# Altium PCB Audio-Beamformer_V1.0.PcbDoc (part 8 of 11)
Units mm, origin at the board's own origin, x right, y up, seen from the top; angles counter-clockwise.
Board outline 300 x 376 mm, 2 copper layers (Top Layer, Bottom Layer), stack 1.548 mm thick; 1137 components, 629 nets, 3569 pads, 2808 vias.
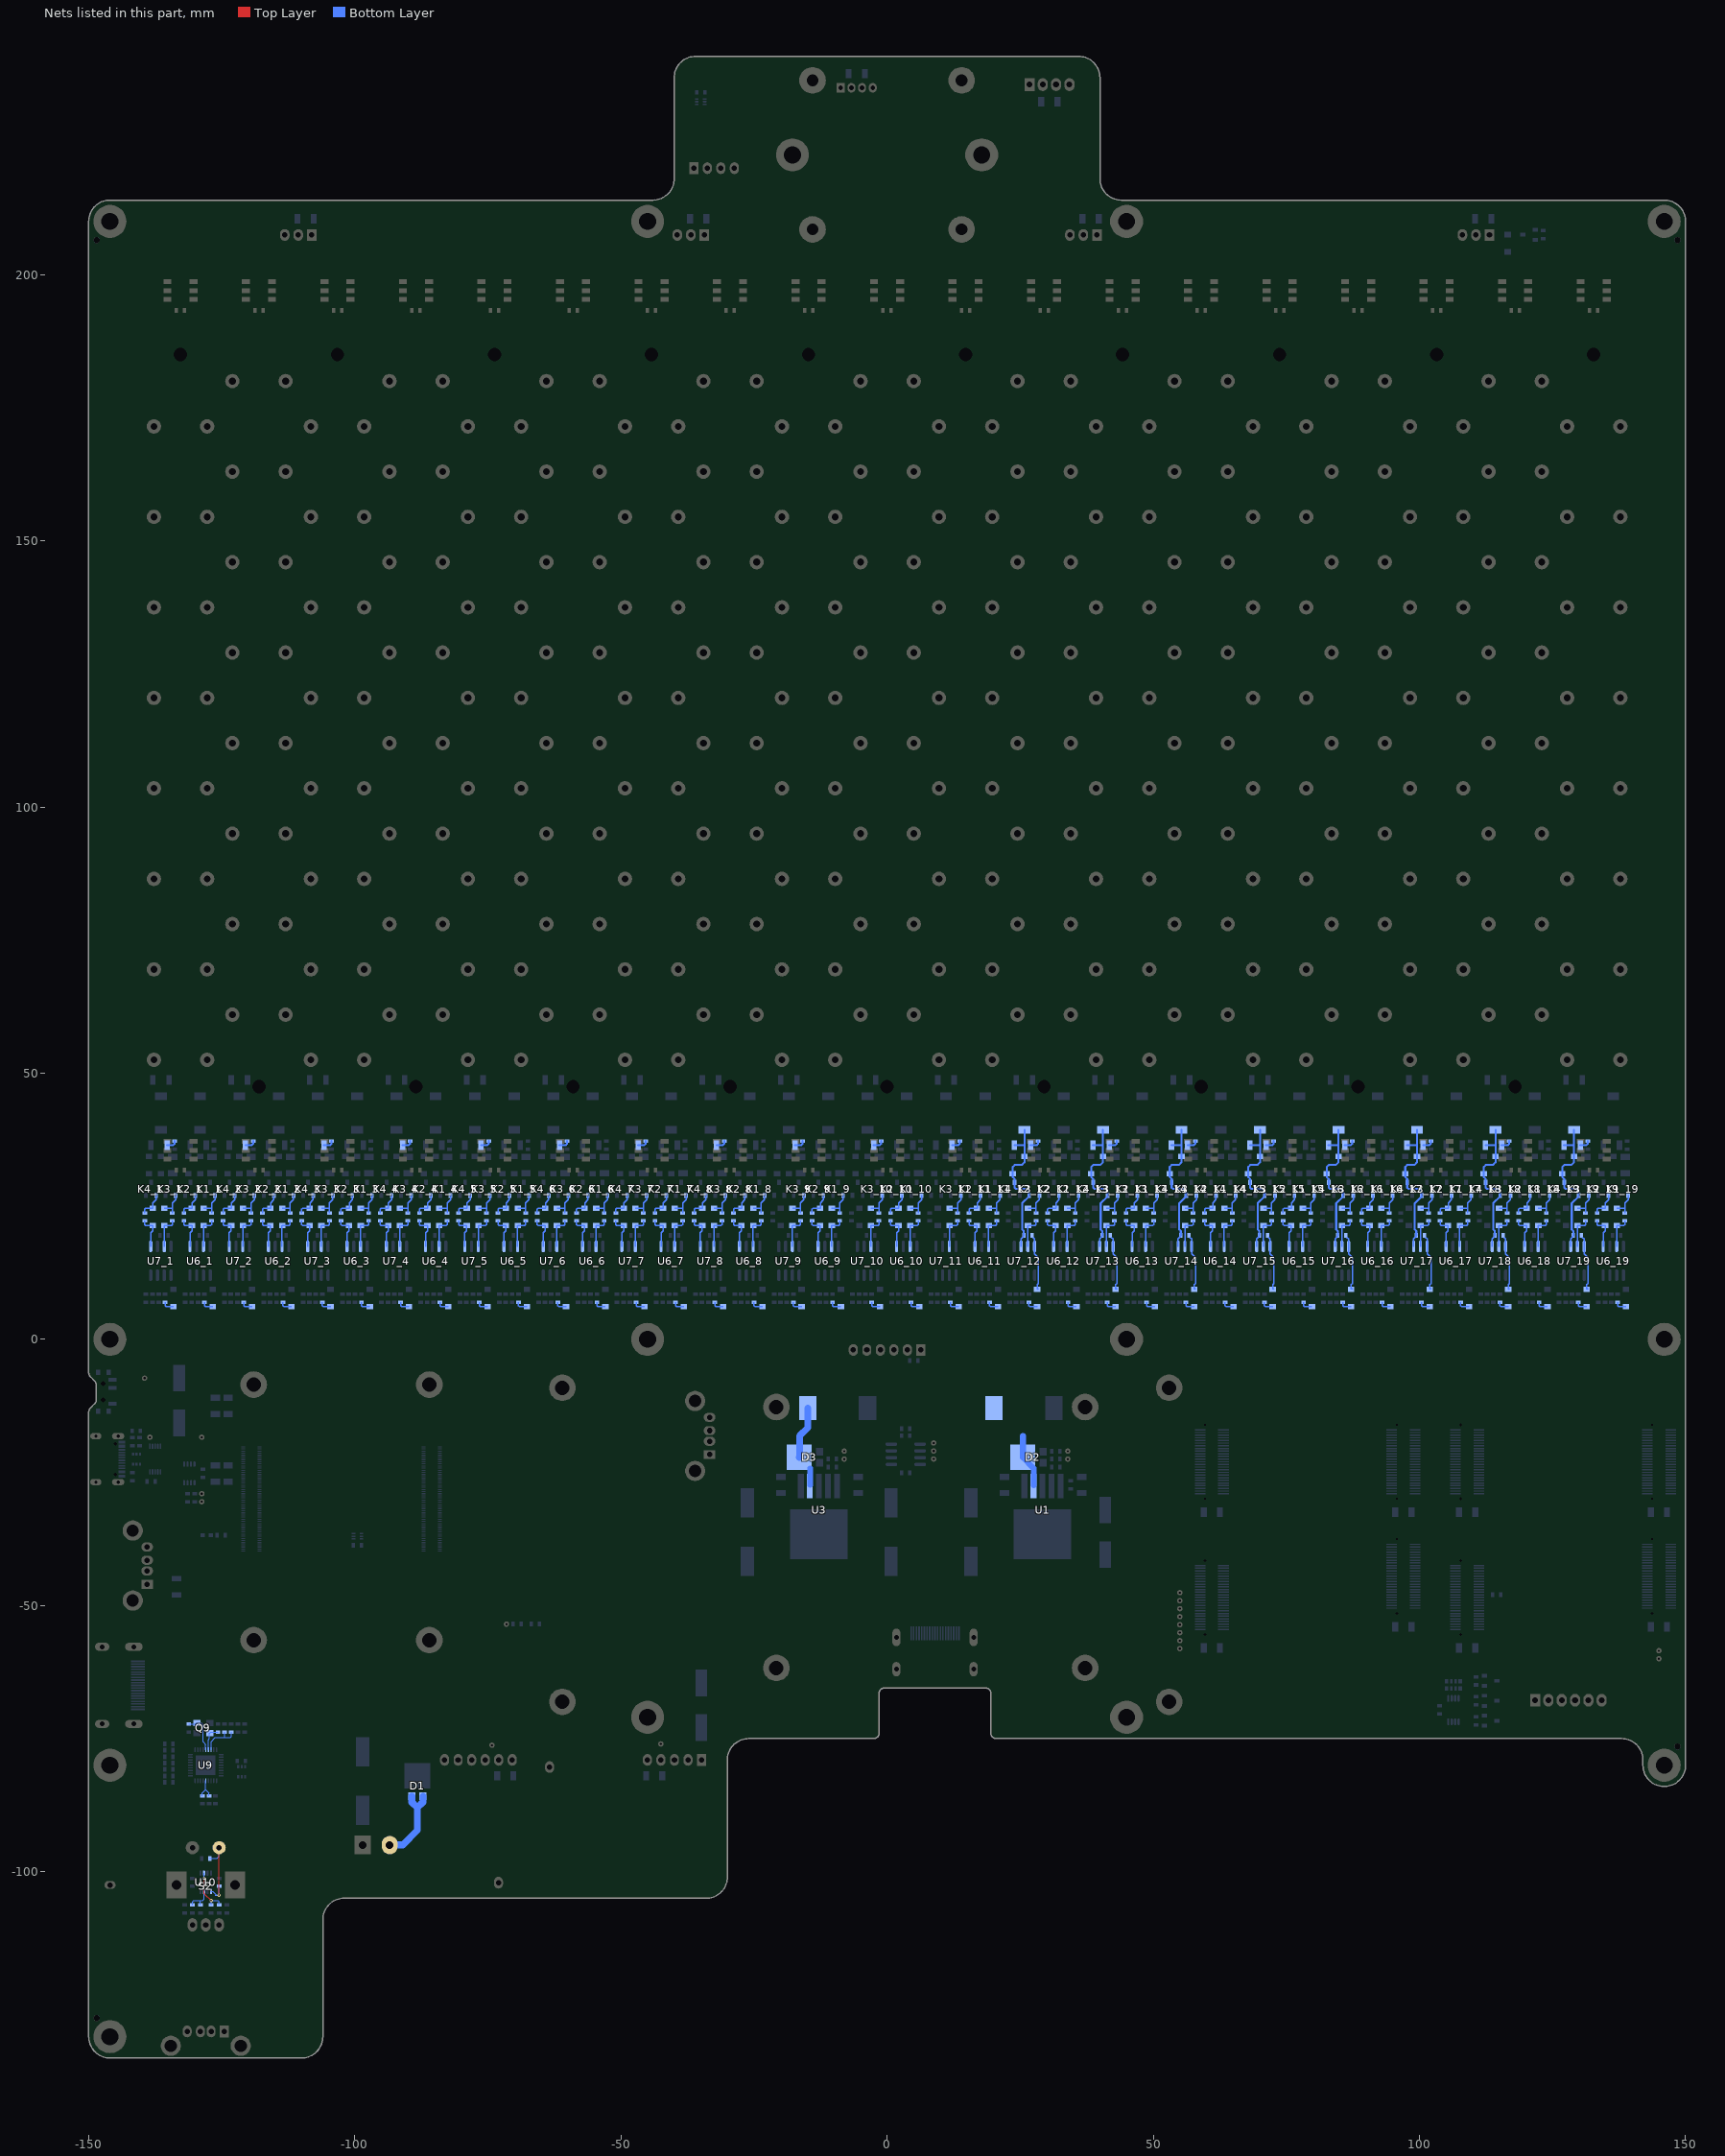
[diagram p8: the nets of this part, all layers, seen from the top]

## Via types
v1: diameter 0.62, hole 0.3, Top Layer to Bottom Layer, tented both sides, 2808 vias

## Nets (pads, with @x,y where several pads share a name; then routed paths per layer and width w, separated by ;. In a path a pad name is that pad's centre, name@x,y a point inside that pad or via, vN(x,y) a via of type N, cw(c..) or ccw(c..) an arc to the next point about the centre after c; other vN are vias at no path point) (continued)
NetC31_12_1: C31_12.1 D11_12.A D13_12.K K3_12.S K4_12.D L4_12.1 R20_12.2 U7_12.6 | length 28.7
  Bottom Layer w0.254: U7_12.6@25.178,17.45 25.178,18.855 C31_12.1@25.676,19.353
  Bottom Layer w0.381: R20_12.2@23.92,36.5 25.813,36.5 ; C31_12.1@25.676,19.5 25.676,20.339 25.375,20.639 25.375,25.563 26.706,26.894 K3_12.S@26.706,27.05 26.655,27.101 26.655,27.895 26.3,28.25 24.219,28.25 23.969,28.5 K4_12.D@23.969,29.45 23.969,30.131 23.6,30.5 D13_12.K@23.6,31.13 23.6,32.381 23.969,32.75 25.313,32.75 25.813,33.25 D11_12.A@25.813,34.37 25.813,36.5 ; L4_12.1@25.813,39.35 25.813,36.5
NetC31_12_2: C31_12.2 D9_12.K U7_12.8 | length 10.6
  Bottom Layer w0.254: C31_12.2@27.39,19.168 27.718,18.84 U7_12.8@27.718,17.45 27.718,16.046 28.433,15.331 28.433,10.5 28.194,10.261 D9_12.K@28.194,9.37 ; D9_12.K@28.233,9.397 D9_12.K@28.433,9.597
NetC31_13_1: C31_13.1 D11_13.A D13_13.K K3_13.S K4_13.D L4_13.1 R20_13.2 U7_13.6 | length 28.7
  Bottom Layer w0.254: U7_13.6@39.928,17.45 39.928,18.855 C31_13.1@40.426,19.353
  Bottom Layer w0.381: R20_13.2@38.67,36.5 40.562,36.5 ; C31_13.1@40.426,19.5 40.426,20.339 40.125,20.639 40.125,25.563 41.456,26.894 K3_13.S@41.456,27.05 41.405,27.101 41.405,27.895 41.05,28.25 38.969,28.25 38.719,28.5 K4_13.D@38.719,29.45 38.719,30.131 38.35,30.5 D13_13.K@38.35,31.13 38.35,32.381 38.719,32.75 40.063,32.75 40.562,33.25 D11_13.A@40.562,34.37 40.562,36.5 ; L4_13.1@40.562,39.35 40.562,36.5
NetC31_13_2: C31_13.2 D9_13.K U7_13.8 | length 10.6
  Bottom Layer w0.254: C31_13.2@42.14,19.168 42.468,18.84 U7_13.8@42.468,17.45 42.468,16.046 43.183,15.331 43.183,10.5 42.944,10.261 D9_13.K@42.944,9.37 ; D9_13.K@42.983,9.397 D9_13.K@43.183,9.597
NetC31_14_1: C31_14.1 D11_14.A D13_14.K K3_14.S K4_14.D L4_14.1 R20_14.2 U7_14.6 | length 28.7
  Bottom Layer w0.254: U7_14.6@54.678,17.45 54.678,18.855 C31_14.1@55.176,19.353
  Bottom Layer w0.381: R20_14.2@53.42,36.5 55.313,36.5 ; C31_14.1@55.175,19.5 55.176,20.339 54.875,20.639 54.875,25.563 56.206,26.894 K3_14.S@56.206,27.05 56.155,27.101 56.155,27.895 55.8,28.25 53.719,28.25 53.469,28.5 K4_14.D@53.469,29.45 53.469,30.131 53.1,30.5 D13_14.K@53.1,31.13 53.1,32.381 53.469,32.75 54.813,32.75 55.313,33.25 D11_14.A@55.313,34.37 55.313,36.5 ; L4_14.1@55.313,39.35 55.313,36.5
NetC31_14_2: C31_14.2 D9_14.K U7_14.8 | length 10.6
  Bottom Layer w0.254: C31_14.2@56.89,19.168 57.218,18.84 U7_14.8@57.218,17.45 57.218,16.046 57.933,15.331 ; D9_14.K@57.694,9.37 57.694,10.261 57.933,10.5 57.933,15.331 ; D9_14.K@57.733,9.397 D9_14.K@57.933,9.597
NetC31_15_1: C31_15.1 D11_15.A D13_15.K K3_15.S K4_15.D L4_15.1 R20_15.2 U7_15.6 | length 28.7
  Bottom Layer w0.254: U7_15.6@69.428,17.45 69.428,18.855 C31_15.1@69.926,19.353
  Bottom Layer w0.381: R20_15.2@68.17,36.5 70.062,36.5 ; C31_15.1@69.925,19.5 69.926,20.339 69.625,20.639 69.625,25.563 70.956,26.894 K3_15.S@70.956,27.05 70.905,27.101 70.905,27.895 70.55,28.25 68.469,28.25 68.219,28.5 K4_15.D@68.219,29.45 68.219,30.131 67.85,30.5 D13_15.K@67.85,31.13 67.85,32.381 68.219,32.75 69.562,32.75 70.062,33.25 D11_15.A@70.062,34.37 70.062,36.5 ; L4_15.1@70.062,39.35 70.062,36.5
NetC31_15_2: C31_15.2 D9_15.K U7_15.8 | length 10.6
  Bottom Layer w0.254: C31_15.2@71.64,19.168 71.968,18.84 U7_15.8@71.968,17.45 71.968,16.046 72.683,15.331 72.683,10.5 72.444,10.261 D9_15.K@72.444,9.37 ; D9_15.K@72.483,9.397 D9_15.K@72.683,9.597
NetC31_16_1: C31_16.1 D11_16.A D13_16.K K3_16.S K4_16.D L4_16.1 R20_16.2 U7_16.6 | length 28.7
  Bottom Layer w0.254: U7_16.6@84.178,17.45 84.178,18.855 C31_16.1@84.676,19.353
  Bottom Layer w0.381: R20_16.2@82.92,36.5 84.812,36.5 ; C31_16.1@84.675,19.5 84.676,20.339 84.375,20.639 84.375,25.563 85.706,26.894 K3_16.S@85.706,27.05 85.655,27.101 85.655,27.895 85.3,28.25 83.219,28.25 82.969,28.5 K4_16.D@82.969,29.45 82.969,30.131 82.6,30.5 D13_16.K@82.6,31.13 82.6,32.381 82.969,32.75 84.313,32.75 84.812,33.25 D11_16.A@84.812,34.37 84.812,36.5 ; L4_16.1@84.812,39.35 84.812,36.5
NetC31_16_2: C31_16.2 D9_16.K U7_16.8 | length 10.6
  Bottom Layer w0.254: C31_16.2@86.39,19.168 86.718,18.84 U7_16.8@86.718,17.45 86.718,16.046 87.433,15.331 87.433,10.5 87.194,10.261 D9_16.K@87.194,9.37 ; D9_16.K@87.233,9.397 D9_16.K@87.433,9.597
NetC31_17_1: C31_17.1 D11_17.A D13_17.K K3_17.S K4_17.D L4_17.1 R20_17.2 U7_17.6 | length 28.7
  Bottom Layer w0.254: U7_17.6@98.928,17.45 98.928,18.855 C31_17.1@99.426,19.353
  Bottom Layer w0.381: R20_17.2@97.67,36.5 99.563,36.5 ; C31_17.1@99.425,19.5 99.426,20.339 99.125,20.639 99.125,25.563 100.456,26.894 K3_17.S@100.456,27.05 100.405,27.101 100.405,27.895 100.05,28.25 97.969,28.25 97.719,28.5 K4_17.D@97.719,29.45 97.719,30.131 97.35,30.5 D13_17.K@97.35,31.13 97.35,32.381 97.719,32.75 99.063,32.75 99.563,33.25 D11_17.A@99.563,34.37 99.563,36.5 ; L4_17.1@99.563,39.35 99.563,36.5
NetC31_17_2: C31_17.2 D9_17.K U7_17.8 | length 10.6
  Bottom Layer w0.254: C31_17.2@101.14,19.168 101.468,18.84 U7_17.8@101.468,17.45 101.468,16.046 102.183,15.331 102.183,10.5 101.944,10.261 D9_17.K@101.944,9.37 ; D9_17.K@101.983,9.397 D9_17.K@102.183,9.597
NetC31_18_1: C31_18.1 D11_18.A D13_18.K K3_18.S K4_18.D L4_18.1 R20_18.2 U7_18.6 | length 28.7
  Bottom Layer w0.254: U7_18.6@113.678,17.45 113.678,18.855 C31_18.1@114.176,19.353
  Bottom Layer w0.381: R20_18.2@112.42,36.5 114.312,36.5 ; C31_18.1@114.175,19.5 114.176,20.339 113.875,20.639 113.875,25.563 115.206,26.894 K3_18.S@115.206,27.05 115.155,27.101 115.155,27.895 114.8,28.25 112.719,28.25 112.469,28.5 K4_18.D@112.469,29.45 112.469,30.131 112.1,30.5 D13_18.K@112.1,31.13 112.1,32.381 112.469,32.75 113.813,32.75 114.312,33.25 D11_18.A@114.312,34.37 114.312,36.5 ; L4_18.1@114.312,39.35 114.312,36.5
NetC31_18_2: C31_18.2 D9_18.K U7_18.8 | length 10.6
  Bottom Layer w0.254: C31_18.2@115.89,19.168 116.218,18.84 U7_18.8@116.218,17.45 116.218,16.046 116.933,15.331 116.933,10.5 116.694,10.261 D9_18.K@116.694,9.37 ; D9_18.K@116.733,9.397 D9_18.K@116.933,9.597
NetC31_19_1: C31_19.1 D11_19.A D13_19.K K3_19.S K4_19.D L4_19.1 R20_19.2 U7_19.6 | length 28.7
  Bottom Layer w0.254: U7_19.6@128.428,17.45 128.428,18.855 C31_19.1@128.926,19.353
  Bottom Layer w0.381: R20_19.2@127.17,36.5 129.063,36.5 ; C31_19.1@128.925,19.5 128.926,20.339 128.625,20.639 128.625,25.563 129.956,26.894 K3_19.S@129.956,27.05 129.905,27.101 129.905,27.895 129.55,28.25 127.469,28.25 127.219,28.5 K4_19.D@127.219,29.45 127.219,30.131 126.85,30.5 D13_19.K@126.85,31.13 126.85,32.381 127.219,32.75 128.563,32.75 129.063,33.25 D11_19.A@129.063,34.37 129.063,36.5 ; L4_19.1@129.063,39.35 129.063,36.5
NetC31_19_2: C31_19.2 D9_19.K U7_19.8 | length 10.6
  Bottom Layer w0.254: C31_19.2@130.64,19.168 130.968,18.84 U7_19.8@130.968,17.45 130.968,16.046 131.683,15.331 131.683,10.5 131.444,10.261 D9_19.K@131.444,9.37 ; D9_19.K@131.483,9.397 D9_19.K@131.683,9.597
NetC32_1_1: C32_1.1 R20_1.1 | length 2
  Bottom Layer w0.381: R20_1.1@-135.282,36.5 -134.106,36.5 -133.856,36.75 C32_1.1@-133.856,37.262
NetC32_2_1: C32_2.1 R20_2.1 | length 2
  Bottom Layer w0.381: R20_2.1@-120.532,36.5 -119.356,36.5 -119.106,36.75 C32_2.1@-119.106,37.262
NetC32_3_1: C32_3.1 R20_3.1 | length 2
  Bottom Layer w0.381: R20_3.1@-105.782,36.5 -104.606,36.5 -104.356,36.75 C32_3.1@-104.356,37.262
NetC32_4_1: C32_4.1 R20_4.1 | length 2
  Bottom Layer w0.381: R20_4.1@-91.032,36.5 -89.856,36.5 -89.606,36.75 C32_4.1@-89.606,37.262
NetC32_5_1: C32_5.1 R20_5.1 | length 2
  Bottom Layer w0.381: R20_5.1@-76.282,36.5 -75.106,36.5 -74.856,36.75 C32_5.1@-74.856,37.262
NetC32_6_1: C32_6.1 R20_6.1 | length 2
  Bottom Layer w0.381: R20_6.1@-61.532,36.5 -60.356,36.5 -60.106,36.75 C32_6.1@-60.106,37.262
NetC32_7_1: C32_7.1 R20_7.1 | length 2
  Bottom Layer w0.381: R20_7.1@-46.782,36.5 -45.606,36.5 -45.356,36.75 C32_7.1@-45.356,37.262
NetC32_8_1: C32_8.1 R20_8.1 | length 2
  Bottom Layer w0.381: R20_8.1@-32.032,36.5 -30.856,36.5 -30.606,36.75 C32_8.1@-30.606,37.262
NetC32_9_1: C32_9.1 R20_9.1 | length 2
  Bottom Layer w0.381: R20_9.1@-17.282,36.5 -16.106,36.5 -15.856,36.75 C32_9.1@-15.856,37.262
NetC32_10_1: C32_10.1 R20_10.1 | length 2
  Bottom Layer w0.381: R20_10.1@-2.532,36.5 -1.356,36.5 -1.106,36.75 C32_10.1@-1.106,37.262
NetC32_11_1: C32_11.1 R20_11.1 | length 2
  Bottom Layer w0.381: R20_11.1@12.218,36.5 13.394,36.5 13.644,36.75 C32_11.1@13.644,37.262
NetC32_12_1: C32_12.1 R20_12.1 | length 2
  Bottom Layer w0.381: R20_12.1@26.968,36.5 28.144,36.5 28.394,36.75 C32_12.1@28.394,37.262
NetC32_13_1: C32_13.1 R20_13.1 | length 2
  Bottom Layer w0.381: R20_13.1@41.718,36.5 42.894,36.5 43.144,36.75 C32_13.1@43.144,37.262
NetC32_14_1: C32_14.1 R20_14.1 | length 2
  Bottom Layer w0.381: R20_14.1@56.468,36.5 57.644,36.5 57.894,36.75 C32_14.1@57.894,37.262
NetC32_15_1: C32_15.1 R20_15.1 | length 2
  Bottom Layer w0.381: R20_15.1@71.218,36.5 72.394,36.5 72.644,36.75 C32_15.1@72.644,37.262
NetC32_16_1: C32_16.1 R20_16.1 | length 2
  Bottom Layer w0.381: R20_16.1@85.968,36.5 87.144,36.5 87.394,36.75 C32_16.1@87.394,37.262
NetC32_17_1: C32_17.1 R20_17.1 | length 2
  Bottom Layer w0.381: R20_17.1@100.718,36.5 101.894,36.5 102.144,36.75 C32_17.1@102.144,37.262
NetC32_18_1: C32_18.1 R20_18.1 | length 2
  Bottom Layer w0.381: R20_18.1@115.468,36.5 116.644,36.5 116.894,36.75 C32_18.1@116.894,37.262
NetC32_19_1: C32_19.1 R20_19.1 | length 2
  Bottom Layer w0.381: R20_19.1@130.218,36.5 131.394,36.5 131.644,36.75 C32_19.1@131.644,37.262
NetC40_2: C40.2 C41.2 U9.14 | length 4.5
  Bottom Layer w0.152: C41.2@-128.75,-85.738 -128.656,-85.644 -128.656,-85.256 -128,-84.6 ; U9.14@-128,-82.9 -128,-84.6 ; C40.2@-127.4,-85.738 -127.4,-85.2 -128,-84.6
NetC42_2: C42.2 C43.2 U9.34 | length 7.6
  Bottom Layer w0.152: U9.34@-127,-77.1 -127,-75.6 -126.2,-74.8 -124.45,-74.8 ; C43.2@-124.45,-73.762 -124.45,-74.8 ; C42.2@-123.2,-73.762 -123.2,-74.6 -123.4,-74.8 -124.45,-74.8
NetC44_1: C44.1 Q9.1 U9.32 | length 7.8
  Bottom Layer w0.152: C44.1@-131.2,-72.238 -129.838,-72.238 Q9.1@-129.65,-72.05 -129.611,-72.089 -128.811,-72.089 -128.5,-72.4 -128.5,-75.6 -128,-76.1 U9.32@-128,-77.1
NetC45_1: C45.1 Q9.2 U9.33 | length 4.9
  Bottom Layer w0.152: U9.33@-127.5,-77.1 -127.5,-75.2 -127.3,-75 -127.3,-74 Q9.2@-127.25,-73.95 -127.062,-73.762 C45.1@-125.7,-73.762
NetC47_2: C47.2 R37.1 U10.6 | length 8.8
  Top Layer w0.152: v1(-128.3,-101.3) -128.325,-101.325 -128.325,-104.125 v1(-127,-105.45)
  Bottom Layer w0.152: U10.6@-128.325,-100.25 -128.325,-101.275 v1(-128.3,-101.3) ; C47.2@-127,-106.238 v1(-127,-105.45) ; v1@-127,-105.4 v1(-127,-105.45) ; R37.1@-125.5,-106.238 -125.5,-105.65 -125.7,-105.45 v1(-127,-105.45)
NetC48_2: C48.2 R36.1 U10.3 | length 5.2
  Bottom Layer w0.152: R36.1@-130.5,-106.238 -130.5,-105.65 -130.3,-105.45 -129,-105.45 ; C48.2@-129,-106.238 -129,-105.45 ; U10.3@-128.325,-103.75 -128.325,-105.15 -128.625,-105.45 -129,-105.45
NetC49_2: C49.2 R33.1 S2.4 U10.1 | length 16.1
  Top Layer w0.152: v1(-125.5,-104.4) S2.4@-125.5,-95.5
  Bottom Layer w0.152: C49.2@-127.238,-97.5 -125.9,-97.5 -125.5,-97.1 S2.4@-125.5,-95.5 ; U10.1@-127.025,-103.75 -126.65,-103.75 -126,-104.4 ; -126.23,-104.4 -126,-104.4 ; R33.1@-125.5,-102.762 v1(-125.5,-104.4) -126,-104.4
NetD1_A: D1.A X1.2 | length 15.9
  Bottom Layer w1.27: X1.2@-93.46,-95 -93.427,-94.967 -90.967,-94.967 -88.25,-92.25 -88.25,-88 ; D1.A@-89.29,-85.805 -89.29,-86.96 -88.25,-88 ; D1.A@-87.21,-85.805 -87.21,-86.96 -88.25,-88
NetD2_K: D2.K L1.2 U1.2 | length 10.1
  Bottom Layer w1.067: D2.K@25.5,-22.15 25.5,-22.19 27.533,-24.223 27.533,-27.383 U1.2@27.55,-27.4
  Bottom Layer w1.143: D2.K@25.5,-22.15 25.5,-18.15
NetD3_K: D3.K L2.2 U3.2 | length 13.2
  Bottom Layer w1.067: U3.2@-14.467,-27.383 D3.K@-14.467,-24.223
  Bottom Layer w1.27: D3.K@-16.5,-22.15 -16.45,-22.2 -16.4,-22.2 -16.4,-18.1 -14.925,-16.625 L2.2@-14.925,-12.875
NetD4_1_A: D4_1.A R11_1.1 | length 2.3
  Bottom Layer w0.254: R11_1.1@-128.25,6.988 -128.25,6.344 -128.036,6.13 D4_1.A@-126.681,6.13
NetD4_2_A: D4_2.A R11_2.1 | length 2.3
  Bottom Layer w0.254: R11_2.1@-113.5,6.988 -113.5,6.344 -113.286,6.13 D4_2.A@-111.931,6.13
NetD4_3_A: D4_3.A R11_3.1 | length 2.3
  Bottom Layer w0.254: R11_3.1@-98.75,6.988 -98.75,6.344 -98.536,6.13 D4_3.A@-97.181,6.13
NetD4_4_A: D4_4.A R11_4.1 | length 2.3
  Bottom Layer w0.254: R11_4.1@-84,6.988 -84,6.344 -83.786,6.13 D4_4.A@-82.431,6.13
NetD4_5_A: D4_5.A R11_5.1 | length 2.3
  Bottom Layer w0.254: R11_5.1@-69.25,6.988 -69.25,6.344 -69.036,6.13 D4_5.A@-67.681,6.13
NetD4_6_A: D4_6.A R11_6.1 | length 2.3
  Bottom Layer w0.254: R11_6.1@-54.5,6.988 -54.5,6.344 -54.286,6.13 D4_6.A@-52.931,6.13
NetD4_7_A: D4_7.A R11_7.1 | length 2.3
  Bottom Layer w0.254: R11_7.1@-39.75,6.988 -39.75,6.344 -39.536,6.13 D4_7.A@-38.181,6.13
NetD4_8_A: D4_8.A R11_8.1 | length 2.3
  Bottom Layer w0.254: R11_8.1@-25,6.988 -25,6.344 -24.786,6.13 D4_8.A@-23.431,6.13
NetD4_9_A: D4_9.A R11_9.1 | length 2.3
  Bottom Layer w0.254: R11_9.1@-10.25,6.988 -10.25,6.344 -10.036,6.13 D4_9.A@-8.681,6.13
NetD4_10_A: D4_10.A R11_10.1 | length 2.3
  Bottom Layer w0.254: R11_10.1@4.5,6.988 4.5,6.344 4.714,6.13 D4_10.A@6.069,6.13
NetD4_11_A: D4_11.A R11_11.1 | length 2.3
  Bottom Layer w0.254: R11_11.1@19.25,6.988 19.25,6.344 19.464,6.13 D4_11.A@20.819,6.13
NetD4_12_A: D4_12.A R11_12.1 | length 2.3
  Bottom Layer w0.254: R11_12.1@34,6.988 34,6.344 34.214,6.13 D4_12.A@35.569,6.13
NetD4_13_A: D4_13.A R11_13.1 | length 2.3
  Bottom Layer w0.254: R11_13.1@48.75,6.988 48.75,6.344 48.964,6.13 D4_13.A@50.319,6.13
NetD4_14_A: D4_14.A R11_14.1 | length 2.3
  Bottom Layer w0.254: R11_14.1@63.5,6.988 63.5,6.344 63.714,6.13 D4_14.A@65.069,6.13
NetD4_15_A: D4_15.A R11_15.1 | length 2.3
  Bottom Layer w0.254: R11_15.1@78.25,6.988 78.25,6.344 78.464,6.13 D4_15.A@79.819,6.13
NetD4_16_A: D4_16.A R11_16.1 | length 2.3
  Bottom Layer w0.254: R11_16.1@93,6.988 93,6.344 93.214,6.13 D4_16.A@94.569,6.13
NetD4_17_A: D4_17.A R11_17.1 | length 2.3
  Bottom Layer w0.254: R11_17.1@107.75,6.988 107.75,6.344 107.964,6.13 D4_17.A@109.319,6.13
NetD4_18_A: D4_18.A R11_18.1 | length 2.3
  Bottom Layer w0.254: R11_18.1@122.5,6.988 122.5,6.344 122.714,6.13 D4_18.A@124.069,6.13
NetD4_19_A: D4_19.A R11_19.1 | length 2.3
  Bottom Layer w0.254: R11_19.1@137.25,6.988 137.25,6.344 137.464,6.13 D4_19.A@138.819,6.13
NetD5_1_A: D5_1.A K1_1.G R13_1.1 | length 5
  Bottom Layer w0.25: D5_1.A@-128.4,24.62 -126.9,24.62 ; R13_1.1@-126.9,23.762 -126.9,24.62 ; K1_1.G@-126.269,27.05 -126.269,26.213 -126.9,25.581 -126.9,24.62
NetD5_1_K: D5_1.K R13_1.2 U6_1.7 | length 6.2
  Bottom Layer w0.25: D5_1.K@-128.393,21.387 -127.107,21.387 -126.9,21.595 R13_1.2@-126.9,22.238
  Bottom Layer w0.254: U6_1.7@-128.427,17.45 D5_1.K@-128.427,21.387
NetD5_2_A: D5_2.A K1_2.G R13_2.1 | length 5
  Bottom Layer w0.25: D5_2.A@-113.65,24.62 -112.15,24.62 ; R13_2.1@-112.15,23.762 -112.15,24.62 ; K1_2.G@-111.519,27.05 -111.519,26.213 -112.15,25.581 -112.15,24.62
NetD5_2_K: D5_2.K R13_2.2 U6_2.7 | length 6.2
  Bottom Layer w0.25: D5_2.K@-113.643,21.387 -112.357,21.387 -112.15,21.595 R13_2.2@-112.15,22.238
  Bottom Layer w0.254: U6_2.7@-113.677,17.45 D5_2.K@-113.677,21.387
NetD5_3_A: D5_3.A K1_3.G R13_3.1 | length 5
  Bottom Layer w0.25: D5_3.A@-98.9,24.62 -97.4,24.62 ; R13_3.1@-97.4,23.762 -97.4,24.62 ; K1_3.G@-96.769,27.05 -96.769,26.213 -97.4,25.581 -97.4,24.62
NetD5_3_K: D5_3.K R13_3.2 U6_3.7 | length 6.2
  Bottom Layer w0.25: D5_3.K@-98.893,21.387 -97.607,21.387 -97.4,21.595 R13_3.2@-97.4,22.238
  Bottom Layer w0.254: U6_3.7@-98.927,17.45 D5_3.K@-98.927,21.387
NetD5_4_A: D5_4.A K1_4.G R13_4.1 | length 5
  Bottom Layer w0.25: D5_4.A@-84.15,24.62 -82.65,24.62 ; R13_4.1@-82.65,23.762 -82.65,24.62 ; K1_4.G@-82.019,27.05 -82.019,26.213 -82.65,25.581 -82.65,24.62
NetD5_4_K: D5_4.K R13_4.2 U6_4.7 | length 6.2
  Bottom Layer w0.25: D5_4.K@-84.143,21.387 -82.857,21.387 -82.65,21.595 R13_4.2@-82.65,22.238
  Bottom Layer w0.254: U6_4.7@-84.177,17.45 D5_4.K@-84.177,21.387
NetD5_5_A: D5_5.A K1_5.G R13_5.1 | length 5
  Bottom Layer w0.25: D5_5.A@-69.4,24.62 -67.9,24.62 ; R13_5.1@-67.9,23.762 -67.9,24.62 ; K1_5.G@-67.269,27.05 -67.269,26.213 -67.9,25.581 -67.9,24.62
NetD5_5_K: D5_5.K R13_5.2 U6_5.7 | length 6.2
  Bottom Layer w0.25: D5_5.K@-69.393,21.387 -68.107,21.387 -67.9,21.595 R13_5.2@-67.9,22.238
  Bottom Layer w0.254: U6_5.7@-69.427,17.45 D5_5.K@-69.427,21.387
NetD5_6_A: D5_6.A K1_6.G R13_6.1 | length 5
  Bottom Layer w0.25: D5_6.A@-54.65,24.62 -53.15,24.62 ; R13_6.1@-53.15,23.762 -53.15,24.62 ; K1_6.G@-52.519,27.05 -52.519,26.213 -53.15,25.581 -53.15,24.62
NetD5_6_K: D5_6.K R13_6.2 U6_6.7 | length 6.2
  Bottom Layer w0.25: D5_6.K@-54.643,21.387 -53.357,21.387 -53.15,21.595 R13_6.2@-53.15,22.238
  Bottom Layer w0.254: U6_6.7@-54.677,17.45 D5_6.K@-54.677,21.387
NetD5_7_A: D5_7.A K1_7.G R13_7.1 | length 5
  Bottom Layer w0.25: D5_7.A@-39.9,24.62 -38.4,24.62 ; R13_7.1@-38.4,23.762 -38.4,24.62 ; K1_7.G@-37.769,27.05 -37.769,26.213 -38.4,25.581 -38.4,24.62
NetD5_7_K: D5_7.K R13_7.2 U6_7.7 | length 6.2
  Bottom Layer w0.25: D5_7.K@-39.893,21.387 -38.607,21.387 -38.4,21.595 R13_7.2@-38.4,22.238
  Bottom Layer w0.254: U6_7.7@-39.927,17.45 D5_7.K@-39.927,21.387
NetD5_8_A: D5_8.A K1_8.G R13_8.1 | length 5
  Bottom Layer w0.25: D5_8.A@-25.15,24.62 -23.65,24.62 ; R13_8.1@-23.65,23.762 -23.65,24.62 ; K1_8.G@-23.019,27.05 -23.019,26.213 -23.65,25.581 -23.65,24.62
NetD5_8_K: D5_8.K R13_8.2 U6_8.7 | length 6.2
  Bottom Layer w0.25: D5_8.K@-25.143,21.387 -23.857,21.387 -23.65,21.595 R13_8.2@-23.65,22.238
  Bottom Layer w0.254: U6_8.7@-25.177,17.45 D5_8.K@-25.177,21.387
NetD5_9_A: D5_9.A K1_9.G R13_9.1 | length 5
  Bottom Layer w0.25: D5_9.A@-10.4,24.62 -8.9,24.62 ; R13_9.1@-8.9,23.762 -8.9,24.62 ; K1_9.G@-8.269,27.05 -8.269,26.213 -8.9,25.581 -8.9,24.62
NetD5_9_K: D5_9.K R13_9.2 U6_9.7 | length 6.2
  Bottom Layer w0.25: D5_9.K@-10.393,21.387 -9.107,21.387 -8.9,21.595 R13_9.2@-8.9,22.238
  Bottom Layer w0.254: U6_9.7@-10.427,17.45 D5_9.K@-10.427,21.387
NetD5_10_A: D5_10.A K1_10.G R13_10.1 | length 5
  Bottom Layer w0.25: D5_10.A@4.35,24.62 5.85,24.62 ; R13_10.1@5.85,23.762 5.85,24.62 ; K1_10.G@6.481,27.05 6.481,26.213 5.85,25.581 5.85,24.62
NetD5_10_K: D5_10.K R13_10.2 U6_10.7 | length 6.2
  Bottom Layer w0.25: D5_10.K@4.357,21.387 5.643,21.387 5.85,21.595 R13_10.2@5.85,22.238
  Bottom Layer w0.254: U6_10.7@4.323,17.45 D5_10.K@4.323,21.387
NetD5_11_A: D5_11.A K1_11.G R13_11.1 | length 5
  Bottom Layer w0.25: D5_11.A@19.1,24.62 20.6,24.62 ; R13_11.1@20.6,23.762 20.6,24.62 ; K1_11.G@21.231,27.05 21.231,26.213 20.6,25.581 20.6,24.62
NetD5_11_K: D5_11.K R13_11.2 U6_11.7 | length 6.2
  Bottom Layer w0.25: D5_11.K@19.107,21.387 20.393,21.387 20.6,21.595 R13_11.2@20.6,22.238
  Bottom Layer w0.254: U6_11.7@19.073,17.45 D5_11.K@19.073,21.387
NetD5_12_A: D5_12.A K1_12.G R13_12.1 | length 5